# Altium PCB MB1842.PcbDoc (part 1 of 2) (continued)
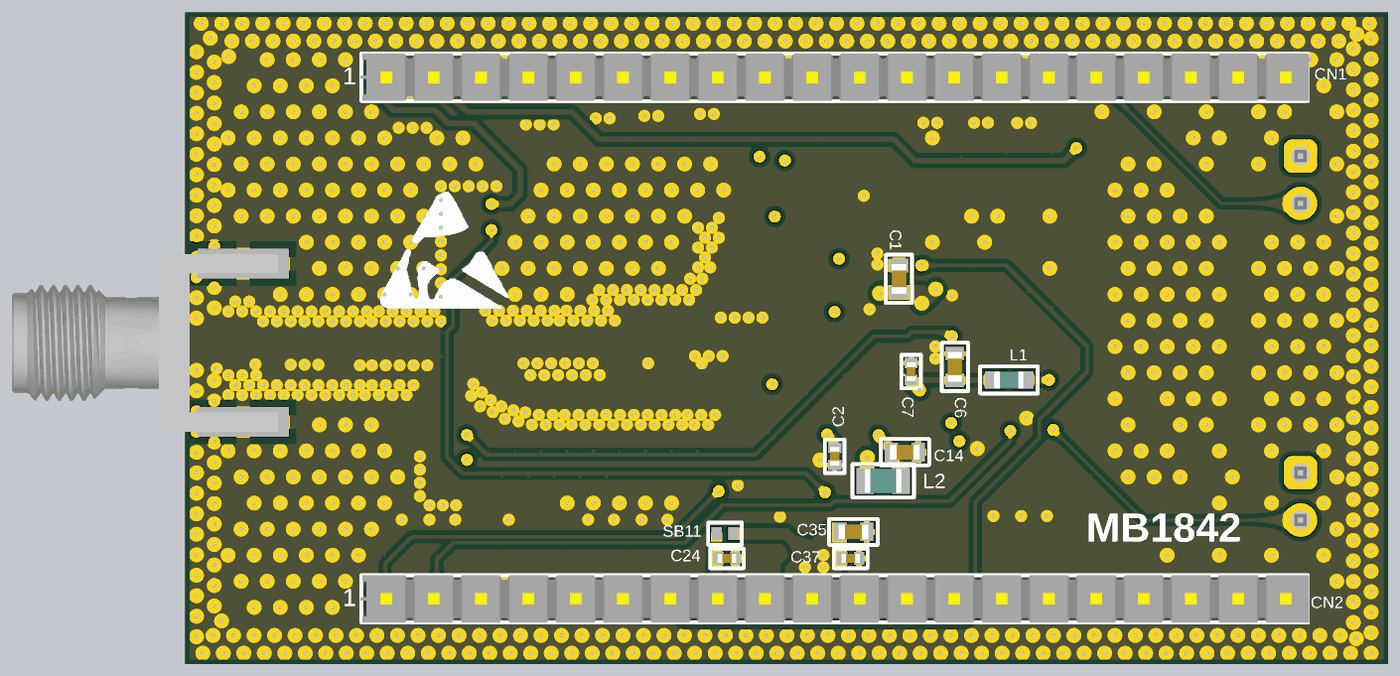
[diagram p6: 3D render of the assembled board from below, using the file's embedded part models]

## Layer stack, top to bottom
Top Solder: solder mask 0.0508, Solder Resist, Dk 3.7
Top Layer: signal copper 0.035
Dielectric 1: prepreg 0.108, 1 x 2116, Dk 3.8
MidLayer 1: signal copper 0.035
Dielectric 2: core 0.71, FR4, Dk 5
MidLayer 2: signal copper 0.035
Dielectric 3: prepreg 0.108, 1 x 2116, Dk 3.8
Bottom Layer: signal copper 0.035
Bottom Solder: solder mask 0.0508, Solder Resist, Dk 3.7

## Board outline
0.296,-17.511 0.296,17.489 64.868,17.489 64.868,-17.511

## Design rules (kind name [scope] priority, off if disabled: settings)
BoardOutlineClearance [All] p1 off: gap=0.6 ignorepadtopadclearanceinfootprint=FALSE
Clearance Clearance_RF_Polygon [InNetClass('50Ohms') vs InPolygon] p1: gap=0.15 ignorepadtopadclearanceinfootprint=TRUE except(0.14: Arc-Fill Arc-Poly Arc-Region Track-Fill Track-Poly Track-Region)
Clearance PairDiff [InNet('RFI_N') vs InNet('RFI_P')] p2: gap=0.1 ignorepadtopadclearanceinfootprint=TRUE
Clearance Clearance_1 [OnLayer('MidLayer 1')       and InPolygon vs All    and WithinRoom('RoomDefinition_BGA')] p3: gap=0.15 ignorepadtopadclearanceinfootprint=TRUE
Clearance Clearance_tab [(ObjectKind = 'Pad') And (Name Like 'Tab*-*') vs OnLayer('Keep-Out Layer')] p4: gap=0 ignorepadtopadclearanceinfootprint=TRUE
Clearance Clearance_Via_BGA [TouchesRoom('RoomDefinition_BGA') vs isvia or ispad or istrack] p5: gap=0.24 ignorepadtopadclearanceinfootprint=TRUE except(0.085: Arc-Arc Arc-SMDPad Arc-THPad Arc-Text Arc-Hole Track-SMDPad Track-THPad Track-Text Track-Hole SMDPad-SMDPad SMDPad-THPad SMDPad-Text SMDPad-Hole THPad-THPad THPad-Text THPad-Hole Via-Text Via-Hole Text-Text Text-Hole; 0.09: Track-Track Track-Via; 0.1: Track-Poly Track-Region; 0.11: Arc-Via SMDPad-Via THPad-Via Via-Via; 0.12: Arc-Track; 0.15: Arc-Region SMDPad-Region THPad-Region Via-Region Region-Region)
Clearance Clearance_Via_BGA_Inner [TouchesRoom('RoomDefinition_BGA') and (OnLayer('MidLayer 1')) vs isvia or ispad or istrack] p6: gap=0.25 ignorepadtopadclearanceinfootprint=TRUE except(0.075: Track-Track Track-Via; 0.085: Arc-Arc Arc-SMDPad Arc-THPad Arc-Text Arc-Hole Track-SMDPad Track-THPad Track-Text Track-Hole SMDPad-SMDPad SMDPad-THPad SMDPad-Text SMDPad-Hole THPad-THPad THPad-Text THPad-Hole Via-Text Via-Hole Text-Text Text-Hole; 0.11: Arc-Via SMDPad-Via THPad-Via Via-Via; 0.12: Arc-Track; 0.15: Arc-Region Track-Region SMDPad-Region THPad-Region Via-Region Region-Region)
Clearance Clearance_via_to_via [(ObjectKind = 'Via') And (Net <> 'GND') vs (ObjectKind = 'Via') And (Net <> 'GND')] p7: gap=0.65 ignorepadtopadclearanceinfootprint=TRUE
Clearance "Clearance_Polygon to All" [InPolygon] p8: gap=0.25 ignorepadtopadclearanceinfootprint=TRUE
Clearance [All] p9: gap=0.12 ignorepadtopadclearanceinfootprint=TRUE except(0.25: Arc-Via Track-Via SMDPad-Via THPad-Via Via-Fill Via-Poly Via-Region)
ComponentClearance [All] p1: gap=0 collisioncheckmode=3 verticalgap=0.1 showdistances=FALSE
DiffPairsRouting [InDifferentialPair('RFI')] p1: maxlimit=0.2 minlimit=0.111 mostfreqgap=0.111 toplayer_minwidth=0.1 toplayer_maxwidth=0.145 toplayer_prefwidth=0.1 midlayer1_minwidth=0.1 midlayer1_maxwidth=0.145 midlayer1_prefwidth=0.1 midlayer2_minwidth=0.1 midlayer2_maxwidth=0.145 midlayer2_prefwidth=0.1 bottomlayer_minwidth=0.1 bottomlayer_maxwidth=0.145 bottomlayer_prefwidth=0.1 maxuncoupledlength=12.7
HoleSize [All] p1: absolutevalues=TRUE maxlimit=10 minlimit=0.025 maxpercent=80.000 minpercent=20.000
MaximumViaCount [All] p1: limit=3
MinimumSolderMaskSliver [All] p1: minsoldermaskwidth=0.1
PlaneConnect [InNet('GND')] p1: planeconnectstyle=Relief reliefexpansion=0.508 reliefentries=4 reliefconductorwidth=0.21 reliefairgap=0.21
PolygonConnect PolygonConnect_RF [(ObjectKind = 'Pad')    and       TouchesRoom('Room_RF_Polygon_Spacing')] p1: connectstyle=Direct reliefconductorwidth=0.254 reliefentries=4 polygonreliefangle="90 Angle" airgapwidth=0.254
PolygonConnect PolygonConnect_J1 [(ObjectKind = 'Pad') And (Name = 'J1-2')] p2: connectstyle=Direct reliefconductorwidth=0.254 reliefentries=4 polygonreliefangle="90 Angle" airgapwidth=0.254
PolygonConnect PolygonConnect_All [All] p3: thpad.connectstyle=Relief thpad.reliefconductorwidth=0.25 thpad.reliefentries=4 thpad.polygonreliefangle="90 Angle" thpad.airgapwidth=0.25 smdpad.connectstyle=Relief smdpad.reliefconductorwidth=0.25 smdpad.reliefentries=4 smdpad.polygonreliefangle="90 Angle" smdpad.airgapwidth=0.25 via.connectstyle=Direct via.reliefconductorwidth=0.2 via.reliefentries=4 via.polygonreliefangle="90 Angle" via.airgapwidth=0.25
RoomDefinition RoomDefinition_BGA [False] p1: confinementstyle=ConfineIn formatcopy=TRUE lockcomponents=FALSE outline 27.671,0.75 32.622,0.75 32.622,-4.247 27.671,-4.247
RoutingLayers "RoutingLayers_90 Ohms" [InDifferentialPairClass('All Differential Pairs')] p1: top layer_v5=TRUE mid layer 1_v5=TRUE mid layer 2_v5=TRUE bottom layer_v5=TRUE
RoutingLayers [All] p2: top layer_v5=TRUE mid layer 1_v5=TRUE mid layer 2_v5=TRUE bottom layer_v5=TRUE
RoutingVias RoutingVias_BGA [InDrillLayerPair('Top Layer - MidLayer 1')] p1: holewidth=0.125 width=0.25 viastyle="Through Hole" minholewidth=0.125 minwidth=0.23 maxholewidth=0.125 maxwidth=0.27
RoutingVias [All] p2: holewidth=0.2 width=0.65 viastyle="Through Hole" minholewidth=0.1 minwidth=0.2 maxholewidth=0.2 maxwidth=0.65
ShortCircuit [(ObjectKind = 'Via') And (DrillPair = 'Top Layer - MidLayer 1') vs Ispad] p1: allowed=TRUE
SilkToSilkClearance [All] p1: silktosilkclearance=0.2
SilkToSolderMaskClearance [IsPad] p1: minsilkscreentomaskgap=0.2 clearancetoexposedcopper=TRUE
SolderMaskExpansion SolderMaskExpansion_VIA [IsVia] p1: expansion=-0.2 istentingtop=FALSE
SolderMaskExpansion [All] p2: expansion=0.075 istentingtop=FALSE
Width Width_BGA [OnLayer('Top Layer')      and WithinRoom('RoomDefinition_BGA')] p1: maxlimit=0.35 minlimit=0.075 preferedwidth=0.1 toplayer_minwidth=0.08 midlayer1_maxwidth=0.1 midlayer2_minwidth=0.09 midlayer2_maxwidth=0.1 bottomlayer_minwidth=0.09 bottomlayer_maxwidth=0.1 minimp=50.000000 maximp=50.000000 favimp=50.000000
Width Width_50Ohms [InNetClass('50Ohms')] p2: maxlimit=0.6 minlimit=0.161 preferedwidth=0.582
Width [All] p3: maxlimit=2 minlimit=0.075 preferedwidth=0.15 toplayer_minwidth=0.08 toplayer_maxwidth=1.5 midlayer1_maxwidth=1 midlayer2_minwidth=0.1 bottomlayer_minwidth=0.1 bottomlayer_maxwidth=1.5 minimp=50.000000 maximp=50.000000 favimp=50.000000
21 further rules are at their usual default settings.

## Classes and differential pairs
net class 50Ohms: NetC17_1 NetC17_2 NetC19_1 NetC22_2 NetC25_1 NetC25_2 NetC27_2 NetC28_1
differential pair RFI: +RFI_P -RFI_N

## Components (designator, comment, footprint, x,y, rotation, side; value= is the part's Value field where it differs from the comment)
C1 "" CAPC1608X09N 26.552,3.181 r270 bottom value=4.7uF
C2 "" CAPC1005X06N 30,-6.35 r90 bottom value=100nF
C3 "" CAPC1005X06N 25.95,-0.55 r0 top value=100nF
C4 "" CAPC1005X06N 28.559,2.834 r270 top value=100nF
C5 "" CAPC1005X06N 25.65,0.65 r0 top value=100nF
C6 "" CAPC1608X09N 23.55,-1.55 r90 bottom value=4.7uF
C7 "" CAPC1005X06N 25.9,-1.8 r90 bottom value=100nF
C8 "Capacitor" CAPC1005X06N 21.55,-1.1 r90 top value="5.1 pF"
C9 "Capacitor" CAPC1005X06N 21.55,-3.1 r270 top value="5.1 pF"
C10 "" CAPC1608X09N 24.604,-5.255 r270 top value=4.7uF
C11 "" CAPC1005X06N 26.104,-5.002 r270 top value=100nF
C12 "" CAPC1005X06N 33.55,-6.407 r0 top value=100nF
C13 "" CAPC1005X06N 50.675,-2.576 r0 top value=1nF
C14 "" CAPC1608X09N 26.237,-6.125 r180 bottom value=0.47uF
C15 "" CAPC1005X06N 35.581,2.722 r270 top value="68 pF"
C16 "" CAPC1608X09N 32.597,5.327 r0 top value=4.7uF
C17 "" CAPACITOR__0402__RF 40.3,0.801 r0 top
C18 "" CAPC1005X06N 34.204,2.722 r90 top value="47 nF"
C19 "" CAPACITOR__0402__RF 43.707,-0.164 r180 top value=68pF
C20 "" CAPACITOR__0402__RF 38.658,-0.743 r270 top
C21 "" CAPACITOR__0402__RF 41.951,-0.747 r90 top
C22 "" CAPACITOR__0402__RF 47.8,-0.747 r90 top
C23 "" CAPC1005X06N 49.748,1.044 r0 top value=1nF
C24 "" CAPC1005X06N 35.789,-11.83 r180 bottom value=100nF
C25 "" CAPACITOR__0402__RF 53.006,-0.283 r0 top value=68pF
C26 "" CAPC1005X06N 50.674,-3.826 r180 top value=100nF
C27 "NC" CAPACITOR__0402__RF 39.849,-2.622 r270 top
C28 "" CAPACITOR__0402__RF 60.069,-0.863 r270 top
C29 "" CAPACITOR__0402__RF 56.644,-0.863 r270 top
C30 "" CAPACITOR__0402__RF 36.351,-2.04 r180 top
C31 "" CAPC1005X06N 32.45,4.061 r0 top value=100nF
C32 "" CAPC1005X06N 49.548,2.369 r180 top value=100nF
C33 "" 0201 32.578,3.095 r180 top value=33pF
C34 "" 0201 28.286,4.419 r0 top value=33pF
C35 "" CAPC1608X09N 28.999,-10.404 r180 bottom value=4.7uF
C36 "" CAPACITOR__0402__RF 36.25,-3.2 r0 top
C37 "" CAPC1005X06N 29.146,-11.83 r180 bottom value=100nF
C38 "Capacitor" C0402 26.751,6.399 r270 top value=10pF
C39 "" C0402 30.369,8.991 r270 top value=10nF
C41 "" CAPC1005X06N 29.885,2.73 r90 top value=100nF
C110 "" CAPC1005X06N 33.239,8.726 r0 top value=100nF
CN1 "CON20" CO_SAMTEC_TSW-120-07-X-S 30,14 r180 bottom locked
CN2 "CON20" CO_SAMTEC_TSW-120-07-X-S 30,-14 r180 bottom locked
Designator1 "Comment" Sheetbox_4L2S -0.189,-52.211 r0 top
Designator1 "Comment" PCB_SPECIFICATIONS -0.48,25.098 r0 top
Designator16 "Comment" IMPEDANCE_TABLE -0.091,63.93 r0 top
HW2 "Logo" LOGO_MAIN 51.15,4.6 r180 bottom value="LOGO ESD"
HW4 "Logo" LOGO_ST 7.948,-0.704 r0 top value="LOGO ST"
J1 "HEADER_1X2_L" CO_MOLEX_22-03-2021 5,8.5 r270 top
J2 "HEADER_1X2_L" CO_MOLEX_22-03-2021 5,-8.5 r270 top
J4 "Amphenol_132430" SMA_AMPHENOL_50OHMS_EDGE_PCB 64.5,-0.261 r90 top
L1 "" INDC1608X95N 20.65,-2.25 r0 bottom value=600R@100MHz
L2 "" INDC2012X13N 27.401,-7.668 r0 bottom value=15uH
L3 "" IND_MURATA_LQW15A 37.66,0.367 r90 top value="47 nF"
L4 "" INDUCTOR__0402__RF 40.3,-0.164 r0 top
L5 "" INDUCTOR__0402__RF 46.031,-0.164 r0 top
L6 "" INDUCTOR__0402__RF 36.065,-0.163 r180 top
L7 "" INDUCTOR__0402__RF 58.357,-0.283 r0 top
L8 "" INDUCTOR__0402__RF 34.586,-2.62 r90 top
L11 "" IND_0402_MURATA_BLM15H_H0P5 29.463,7.019 r270 top value=1400R@1GHz
R1 "" RESC1608X05N 40.35,-7.609 r180 top value=10K
R2 "" RESC1005X04N 52.618,-4.628 r270 top value=100R
R3 "" RESC1005X04N 50.056,4.044 r90 top value=100R
R6 "Resistor" R0402 26.866,8.204 r270 top value=220R
SB1 "Close" SB_0402 22.931,-1.5 r180 top
SB2 "Close" SB_0402 22.931,-2.7 r180 top
SB3 "Close" SB_0402 50.917,-6.551 r0 top
SB4 "Open" SB_0402 50.917,-5.152 r0 top
SB5 "Open" SB_0402 50.917,-7.952 r0 top
SB6 "Close" SB_0402 49.6,5.794 r0 top value=0
SB7 "SB_3Pads" SB3PADS_0402 32.279,6.537 r0 top
SB8 "Close" SB_0402 37.822,-7.578 r180 top
SB9 "Open" SB_0402 49.6,7.195 r0 top
SB10 "SB_3Pads" SB3Pads_0402 34.15,-0.391 r0 top
SB11 "Open" SB_0402 35.889,-10.504 r180 bottom
SB14 "Close" SB_0402 28.157,6.11 r270 top value=0
U1 "" BGA73C50P9X9_500X500X60 30,-2 r90 top locked
U2 "" DIOM0603X03N 33.456,-7.557 r0 top
U3 "BGS12SN6" SON40P70X40-6N 49.848,-0.38 r0 top
X1 "XTAL_2_PINS" OSC_NDK_NX2012SA 19.9,-2.1 r90 top value=32.768KHz
X3 "" CRY_NDK_NT2016SB_4P 28.549,9.16 r180 top value=32MHz

## Footprints (in the part's own frame and the unit in brackets; to place one, negate y for a bottom-side part, rotate by r counter-clockwise, add the part's x,y. Pads: shape width x height; smd on the part's side, far side on the other; paste and mask are expansions set on the pad)
0201 [mm]
  rect 0.28x0.35 smd: 1(0,0) 2(0.48,0)
  silkscreen extent -0.27,-0.28 0.75,0.28, body extent -0.06,-0.15 0.54,0.15, height 0.3
BGA73C50P9X9_500X500X60 [mm] "BGA, 73-Leads, Body 5.00x5.00mmx0.60mm, Pitch 0.50mm"
  round 0.25 smd mask+0.05: A1(-2,2) A2(-1.5,2) A4(-0.5,2) A5(0,2) A7(1,2) A8(1.5,2) A9(2,2) B1(-2,1.5) B2(-1.5,1.5) B3(-1,1.5) B4(-0.5,1.5) B5(0,1.5) B6(0.5,1.5) B7(1,1.5) B8(1.5,1.5) B9(2,1.5) C1(-2,1) C2(-1.5,1) C3(-1,1) C4(-0.5,1) C5(0,1) C6(0.5,1) C7(1,1) C8(1.5,1) D2(-1.5,0.5) D3(-1,0.5) D4(-0.5,0.5) D5(0,0.5) D6(0.5,0.5) D7(1,0.5) D8(1.5,0.5) D9(2,0.5) E1(-2,0) E2(-1.5,0) E3(-1,0) E4(-0.5,0) E5(0,0) E6(0.5,0) E7(1,0) E8(1.5,0) E9(2,0) F1(-2,-0.5) F2(-1.5,-0.5) F3(-1,-0.5) F4(-0.5,-0.5) F5(0,-0.5) F6(0.5,-0.5) F7(1,-0.5) F8(1.5,-0.5) G2(-1.5,-1) G3(-1,-1) G4(-0.5,-1) G5(0,-1) G6(0.5,-1) G7(1,-1) G8(1.5,-1) G9(2,-1) H1(-2,-1.5) H2(-1.5,-1.5) H3(-1,-1.5) H4(-0.5,-1.5) H5(0,-1.5) H6(0.5,-1.5) H7(1,-1.5) H8(1.5,-1.5) H9(2,-1.5) J1(-2,-2) J2(-1.5,-2) J3(-1,-2) J5(0,-2) J6(0.5,-2) J8(1.5,-2) J9(2,-2)
  silkscreen extent -2.6,-2.6 2.6,2.6, body extent -2.5,-2.5 2.5,2.5, height 0.6
C0402 [mm]
  rect 0.51x0.56 smd mask+0.05: 1(-0.45,0) 2(0.45,0)
  silkscreen extent 0,-0.3 0,0.3, body extent -0.5,-0.31 0.5,0.31, height 0.4
CAPACITOR__0402__RF [mm] "Inductor 2-Leads,Body 1.10x0.70x0.60mm(max)"
  rect 0.582x0.582 smd: 1(-0.58,0) 2(0.58,0)
  silkscreen extent -1.14,-0.53 1.14,0.53, body extent -0.5,-0.25 0.5,0.25, height 0.6
CAPC1005X06N [mm] "Chip Capacitor, 2-Leads, Body 1.00x0.50x0.60mm (0402)"
  rect 0.55x0.7 smd: 1(-0.45,0) 2(0.45,0)
  silkscreen extent -0.9,-0.52 0.9,0.53, body extent -0.5,-0.25 0.5,0.25, height 0.6
CAPC1608X09N [mm] "Chip Capacitor, 2-Leads, Body 1.60x0.80x0.90mm (0603)"
  rect 0.725x1 smd: 1(-0.712,0) 2(0.712,0)
  Top Layer pour cut-out: -0.3,0.7 0.3,0.7 0.3,-0.7 -0.3,-0.7
  silkscreen extent -1.3,-0.7 1.3,0.7, body extent -0.8,-0.4 0.8,0.4, height 0.9
CO_MOLEX_22-03-2021 [mm]
  rrect50% 1.8x1.8 hole 1: 1(-1.27,0)
  round 1.8 hole 1: 2(1.27,0)
  silkscreen extent -2.54,-1.27 2.54,1.27, body extent -2.41,-1.18 2.41,1.18, height 10.79
CO_SAMTEC_TSW-120-07-X-S [mm] "Header, 20-Leads, 50.80x2.54x10.80mm, Pitch 2.54mm"
  rrect50% 1.8x1.8 hole 1: 1(-24.13,0)
  round 1.8 hole 1: 2(-21.59,0) 3(-19.05,0) 4(-16.51,0) 5(-13.97,0) 6(-11.43,0) 7(-8.89,0) 8(-6.35,0) 9(-3.81,0) 10(-1.27,0) 11(1.27,0) 12(3.81,0) 13(6.35,0) 14(8.89,0) 15(11.43,0) 16(13.97,0) 17(16.51,0) 18(19.05,0) 19(21.59,0) 20(24.13,0)
  silkscreen extent -25.4,-1.27 25.4,1.27, body extent -25.46,-1.27 25.46,1.27, height 8.38
CRY_NDK_NT2016SB_4P [mm] "MCD-01492"
  rect 0.6x0.8 smd mask+0.05: 1(-0.9,-0.6) 2(0.9,-0.6) 3(0.9,0.6) 4(-0.9,0.6)
  silkscreen extent -1.32,-1.12 1.05,0.85, body extent -1.05,-0.85 1.05,0.85, height 0.81
DIOM0603X03N [mm] "Molded Diode, 2-Leads, Body 0.60x0.30mm"
  rect 0.425x0.3 smd: 1(-0.312,0) 2(0.312,0)
  silkscreen extent -0.33,-0.35 0.33,0.35, body extent -0.32,-0.18 0.33,0.18, height 0.33
IMPEDANCE_TABLE [mm]
IND_0402_MURATA_BLM15H_H0P5 [mm]
  rect 0.65x0.9 smd mask+0.05: 1(-0.475,0) 2(0.475,0)
  silkscreen extent -0.05,-0.28 0.05,0.28, body extent -0.53,-0.28 0.52,0.28, height 0.55
IND_MURATA_LQW15A [mm]
  rect 0.582x0.7 smd: 1(-0.53,0) 2(0.53,0)
  silkscreen extent -1.14,-0.53 1.14,0.53, body extent -0.5,-0.3 0.5,0.3, height 0.51
INDC1608X95N [mm] "Chip Inductor, 2-Leads, Body 1.75x0.95x0.95mm (0603)"
  rect 1.1x0.95 smd: 1(-0.75,0) 2(0.75,0)
  silkscreen extent -1.55,-0.72 1.55,0.72, body extent -0.8,-0.48 0.8,0.47, height 0.8
INDC2012X13N [mm] "Chip Inductor, 2-Leads, Body 2.0x1.2x1.3 (0805)"
  rect 0.96x1.4 smd: 1(-0.952,0) 2(0.952,0)
  silkscreen extent -1.65,-0.9 1.65,0.9, body extent -1,-0.65 1,0.65, height 1.18
INDUCTOR__0402__RF [mm] "Inductor 2-Leads,Body 1.10x0.70x0.60mm(max)"
  rect 0.582x0.582 smd: 1(-0.58,0) 2(0.58,0)
  silkscreen extent -1.14,-0.53 1.14,0.53, body extent -0.5,-0.3 0.5,0.3, height 0.51
LOGO_MAIN [mm]
  silkscreen extent -3.24,-3.02 3.65,3.22
LOGO_ST [mm]
  silkscreen extent -6.18,-2.95 5.25,3.14
OSC_NDK_NX2012SA [mm] "Crystal, 2-Leads, Body 2.05x1.20x0.55mm (Tol:-/+0.05)"
  rect 1x1.25 smd: 1(-0.75,0) 2(0.75,0)
  silkscreen extent -1.25,-0.87 1.25,0.87, body extent -1.04,-0.63 1.03,0.63, height 0.55
PCB_SPECIFICATIONS [mm]
R0402 [mm]
  rect 0.51x0.7 smd mask+0.05: 1(-0.45,0) 2(0.45,0)
  silkscreen extent 0,-0.3 0,0.3, body extent -0.52,-0.31 0.52,0.31, height 0.4
RESC1005X04N [mm] "Chip Resistor, 2-Leads, Body 1.00x0.50mm (0402)"
  rect 0.55x0.7 smd: 1(-0.45,0) 2(0.45,0)
  silkscreen extent -0.95,-0.6 0.95,0.6, body extent -0.5,-0.25 0.5,0.25, height 0.35
RESC1608X05N [mm] "Chip Resistor, 2-Leads, Body 1.60x0.80mm (0603)"
  rect 0.725x1 smd: 1(-0.713,0) 2(0.713,0)
  Top Layer pour cut-out: -0.3,0.7 0.3,0.7 0.3,-0.7 -0.3,-0.7
  silkscreen extent -1.3,-0.7 1.3,0.7, body extent -0.77,-0.42 0.78,0.43, height 0.45
SB3PADS_0402 [mm] "Solder Bridge 0 Ohm (0402)"
  rect 0.7x0.7 smd: 1(0.466,-0.009) 2(-0.517,-0.009) 3(-0.517,0.974)
  silkscreen extent -1.13,-0.61 0.91,1.46, body extent -0.79,-0.05 -0.29,0.95, height 0.25
SB3Pads_0402 [mm] "Solder Bridge 0 Ohm (0402)"
  rect 0.582x0.55 smd: 1(0.255,-0.516)
  rect 0.582x0.582 smd: 2(0.255,0.467)
  rect 0.55x0.582 smd: 3(-0.728,0.467)
  silkscreen extent -1.17,-1.01 0.86,1.07, body extent 0.03,-0.49 0.53,0.51, height 0.25
SB_0402 [mm] "Solder Bridge 0 Ohm (0402)"
  rect 0.55x0.7 smd: 1(-0.45,0) 2(0.45,0)
  silkscreen extent -0.9,-0.6 0.9,0.6, body extent -0.5,-0.25 0.5,0.25, height 0.25
Sheetbox_4L2S [mil] "Sheetbox 4 layers / 2 silkscreens"
  round 20 on Mech16: 1(813.78,210.69) 1(2736.9,210.69)
SMA_AMPHENOL_50OHMS_EDGE_PCB [mm] "RF Connector, SMA End Launch Jack for 0.047 inch (1.19 mm thickness) PCB, 50 Ohm, Flat Tab Contact"
  rect 1.5x3 smd mask+0.05: 1(0,1.5)
  rect 1.6x4.9 smd mask+0.05: 2(-4.25,2.75) 2(4.25,2.75)
  rect 1.6x4.9 smd far side mask+0.05: 2(-4.25,2.75) 2(4.25,2.75)
  silkscreen extent -5.27,0.13 5.33,5.47, body extent -4.76,-9.65 4.76,4.62, height 4.09
SON40P70X40-6N [mm] "SON, 6-Leads, Body 1.10x0.70mm, Pitch 0.40mm"
  rect 0.6x0.225 smd: 1(-0.4,0.4) 2(-0.4,0) 3(-0.4,-0.4) 4(0.4,-0.4) 5(0.4,0) 6(0.4,0.4)
  silkscreen extent -0.38,-0.75 0.38,0.75, body extent -0.38,-0.58 0.38,0.58, height 0.4

## Part data
C1 C6 C10 C16 C35: library part MCD-00009, "Capacitor, MLCC, 4.7uF, 16V, X5R, 10%, 0603, T=0.8mm", Manufacturer=YAGEO, Manufacturer_Part_Number=CC0603KRX5R7BB475, Package=C0603
C2 C3 C4 C5 C7 C11 C12 C24 C26 C31 C32 C37 C41 C110: library part MCD-00102, "Capacitor, MLCC, 100nF, 16V, X7R, 10%, 0402, T=0,5mm", Manufacturer=YAGEO, Manufacturer_Part_Number=CC0402KRX7R7BB104, Package=C0402
C8 C9: library part MCD-00003, "Capacitor, MLCC, 5.1 pF, 50V, NPO, +-0.1pF, 0402, T=0.5mm", Manufacturer=YAGEO, Manufacturer_Part_Number=CC0402CRNPO9BN5R1
C13 C23: library part MCD-00198, "Capacitor, MLCC, 1nF, 16V, X7R, 10%, 0402, T=0.5mm", Manufacturer=YAGEO, Manufacturer_Part_Number=CC0402KRX7R7BB102
C14: library part MCD-00009, "Capacitor, MLCC, 4.7uF, 16V, X5R, 10%, 0603, T=0.8mm", Manufacturer=YAGEO, Manufacturer_Part_Number=CC0603KRX5R7BB474, Package=C0603
C15: library part MCD-01123, "Capacitor, MLCC,68pF, 50V, C0G, 1%, 0402, T=0.5mm", Manufacturer=MURATA, Manufacturer_Part_Number=GRM1555C1E680JA01
C17 C22: library part MCD-01123, "RF Capacitor"
C18: library part MCD-01123, "Capacitor, MLCC,47nF, 16V, X7R, 10%, 0402, T=0.5mm", Manufacturer=MURATA, Manufacturer_Part_Number=GRM155C71H473KE19
C19 C25: library part MCD-01123, "Capacitor, MLCC,68pF, 50V, C0G, 1%, 0402, T=0.5mm", Manufacturer=MURATA, Manufacturer_Part_Number=GRM1555C1H680JA01
C20 C28 C29: library part MCD-00102, "RF Capacitor", Package=C0402
C21: library part MCD-00015, "RF Capacitor"
C27: library part MCD-01123, Manufacturer="Not Fitted", Manufacturer_Part_Number="Not Fitted"
C30 C36: library part MCD-01123
C33 C34: library part MCD-00277, "Multilayer Ceramic Capacitors MLCC - SMD/SMT 0201 33pF 25volts C0G 5%", Manufacturer=MURATA, Manufacturer_Part_Number=GJM0335C1E330JB01D
C38: library part MCD-00015, "Capacitor, MLCC, 10pF, 50V, NPO, +/-5%, 0402, T=0,5mm", Manufacturer=YAGEO, Manufacturer_Part_Number=CC0402JRNPO9BN100, Package=C0402, ComponentLink1Description=Datasheet, ComponentLink1URL=http://tunmcdsvn.tun.st.com/Component_Datasheet_Library/Trunk/Capacitors/Yageo_Capacitor_NP0_16V-to-50V, Internal_Part_Number=MCD-00015, Part_Preference=Recommended, Part_Type=Capacitor, Status=Released
C39: library part MCD-00011, "Capacitor, MLCC, 10nF, 16V, X7R, 10%, 0402, T=0.5mm", Manufacturer=YAGEO, Manufacturer_Part_Number=CC0402KRX7R7BB103, Package=C0402, ComponentLink1Description=Datasheet, ComponentLink1URL=http://tunmcdsvn.tun.st.com/Component_Datasheet_Library/Trunk/Capacitors/Yageo_Multilayer_Capacitor_X7R_series_100pF_to_22uF, ECCN_EU=NEC, ECCN_US=EAR99, Internal_Part_Number=MCD-00011, Part_Type=Capacitor, Provided_By=SUBCO, Status=Released
CN1 CN2: "Connector right-angle, pitch 2.54mm, 20 contacts", Manufacturer=SAMTEC, Manufacturer_Part_Number=TSW-120-07-L-S
Designator16: library part MCD-00279
HW2: library part MCD-00627, "\"Hand\" ESD logo footprint for PCB", ECCN_EU=n/a, ECCN_US=n/a, Initial_Board_Reference=MB1331, Internal_Part_Number=MCD-00627, Part_Type=Mechanical, Provided_By=n/a, Status=Released
HW4: library part MCD-00625, "\"STMicroelectronics\" logo footprint for PCB", ECCN_EU=n/a, ECCN_US=n/a, Initial_Board_Reference=MB1331, Internal_Part_Number=MCD-00625, Part_Type=Mechanical, Provided_By=n/a, Status=Released
J1 J2: "Header 1x2 Through hole 2.54mm", Manufacturer=MOLEX, Manufacturer_Part_Number=22-03-2021
J4: library part SMA_thickness_1.19mm_AMPHENOL, "RF Connector, SMA End Launch Jack for 0.047 inch PCB, 50 Ohm, Flat Tab Contact", Manufacturer=AMPHENOL, Manufacturer_Part_Number=132430
L1: library part MCD-00047, "SMD Chip ferrite bead, 600R@100MHz +/-25%, 350mA, 500mohm DC, 0603, T=0.8mm", Manufacturer=TAI-TECH, Manufacturer_Part_Number=FCM1608KF-601T03
L2: library part MCD-01433, "MLZ2012 Multilayer Shielded Inductor 15µH, ±5%", Manufacturer=TDK, Manufacturer_Part_Number=MLZ2012M150W
L3: library part MCD-01330, "RF Inductor", Manufacturer=MURATA, Manufacturer_Part_Number=LQW15AN47NG00
L4 L5 L6 L7: library part MCD-01330, "RF Inductor"
L8: library part MCD-01330
L11: library part MCD-01610, "ferrite bead, 1400ohms at 1GHz, 250mA, 1.1ohms DC max", Manufacturer=MURATA, Manufacturer_Part_Number=BLM15HG102SN1#, Package=L0402, ComponentLink1Description=Datasheet, ComponentLink1URL=http://tunmcdsvn.tun.st.com/Component_Datasheet_Library/Trunk/Inductors/Murata_ferrite-bead_BLM15series, ECCN_EU=n/a, ECCN_US=n/a, Internal_Part_Number=MCD-01610, Part_Type=Inductor, Provided_By=SUBCO, Status="Footprint available"
R1: library part MCD-00220, "Resistor,10K,0603,1%,1/10W", Manufacturer=YAGEO, Manufacturer_Part_Number=RC0603FR-0710KL
R2 R3: library part MCD-00119, "Resistor,100R,0402,1%,1/16W", Manufacturer=YAGEO, Manufacturer_Part_Number=RC0402FR-07100RL
R6: library part MCD-00427, "Resistor,220R,0402,1%,1/16W", Manufacturer=YAGEO, Manufacturer_Part_Number=RC0402FR-07220RL, Package=R0402, ComponentLink1Description=Datasheet, ComponentLink1URL=http://tunmcdsvn.tun.st.com/Component_Datasheet_Library/Trunk/Resistors/Yageo_Resistor_RC0402-series, ECCN_EU=NEC, ECCN_US=EAR99, Internal_Part_Number=MCD-00427, Part_Type=Resistor, Provided_By=SUBCO, Status=Released
SB1 SB2 SB3 SB6 SB8 SB14: library part SB_0Ohm, "Solder Bridge 0R [0402] (Populated with 0 Ohm)", Manufacturer="Vishay / Dale", Manufacturer_Part_Number=RCS04020000Z0ED, Revision="July-2002: Re-released for DXP Platform."
SB4: library part SB_Open, "Solder Bridge Open [0402] (Unpopulated)", Manufacturer="NOT FITTED", Manufacturer_Part_Number="NOT FITTED", Revision="July-2002: Re-released for DXP Platform."
SB5 SB9 SB11: library part SB_Open, "Solder Bridge Open [0402] (Unpopulated)", Revision="July-2002: Re-released for DXP Platform."
SB7 SB10: "Solder Bridge Open [0402] (Unpopulated)", Manufacturer="NOT FITTED", Manufacturer_Part_Number="NOT FITTED", Revision="July-2002: Re-released for DXP Platform."
U1: library part MCD-01435, "Multiprotocol Wireless 32-bit MCUwith LPWAN Sub-GHz radio solution", Manufacturer=STMICROELECTRONICS, Manufacturer_Part_Number=STM32WL55JCU6
U2: library part MCD-00170, "ESD protection 6V1", Manufacturer=STMICROELECTRONICS, Manufacturer_Part_Number=ESDALC6V1-1U2
U3: "DC switch - Ultra-Low  SPDT analog switch", Manufacturer=INFINEON, Manufacturer_Part_Number=BGS12SN6
X1: library part MCD-01479, "Crystal 32.768kHz, 6pF, -+20PPM, R=80K, SMD", Manufacturer=NDK, Manufacturer_Part_Number="NX2012SA 32.768KHz EXS00A-MU00527"
X3: library part MCD-01492, "NT2016SA-32M-END4263A", Manufacturer=NDK, Package="2016 size", ComponentLink1Description=Datasheet, ComponentLink1URL=http://tunmcdsvn.tun.st.com/Component_Datasheet_Library/Trunk/Crystal_Osc/NDK_NT2016SA, ECCN_EU=NEC, ECCN_US=EAR99, Internal_Part_Number=MCD-01492, Manufacturer_Part_Number=NT2016SA-32M-END4263A, Part_Type=Crystal_Osc, Provided_By=SUBCO, Status=Checked

## Via types
v1: diameter 0.65, hole 0.2, Top Layer to Bottom Layer, 646 vias
v2: diameter 0.275, hole 0.125, Top Layer to MidLayer 1, 261 vias
v3: diameter 0.5, hole 0.2, Top Layer to Bottom Layer, 244 vias